# Altium PCB 采集主板V1.1_ZM_20210713.PcbDoc (part 2 of 2)
Units mil, origin at the board's own origin, x right, y up, seen from the top; angles counter-clockwise.
Board outline 5118.11 x 2559.06 mil, 4 copper layers (Top Layer, GND, Power, Bottom Layer), stack 30.635 mil thick; 191 components, 119 nets, 558 pads, 477 vias.
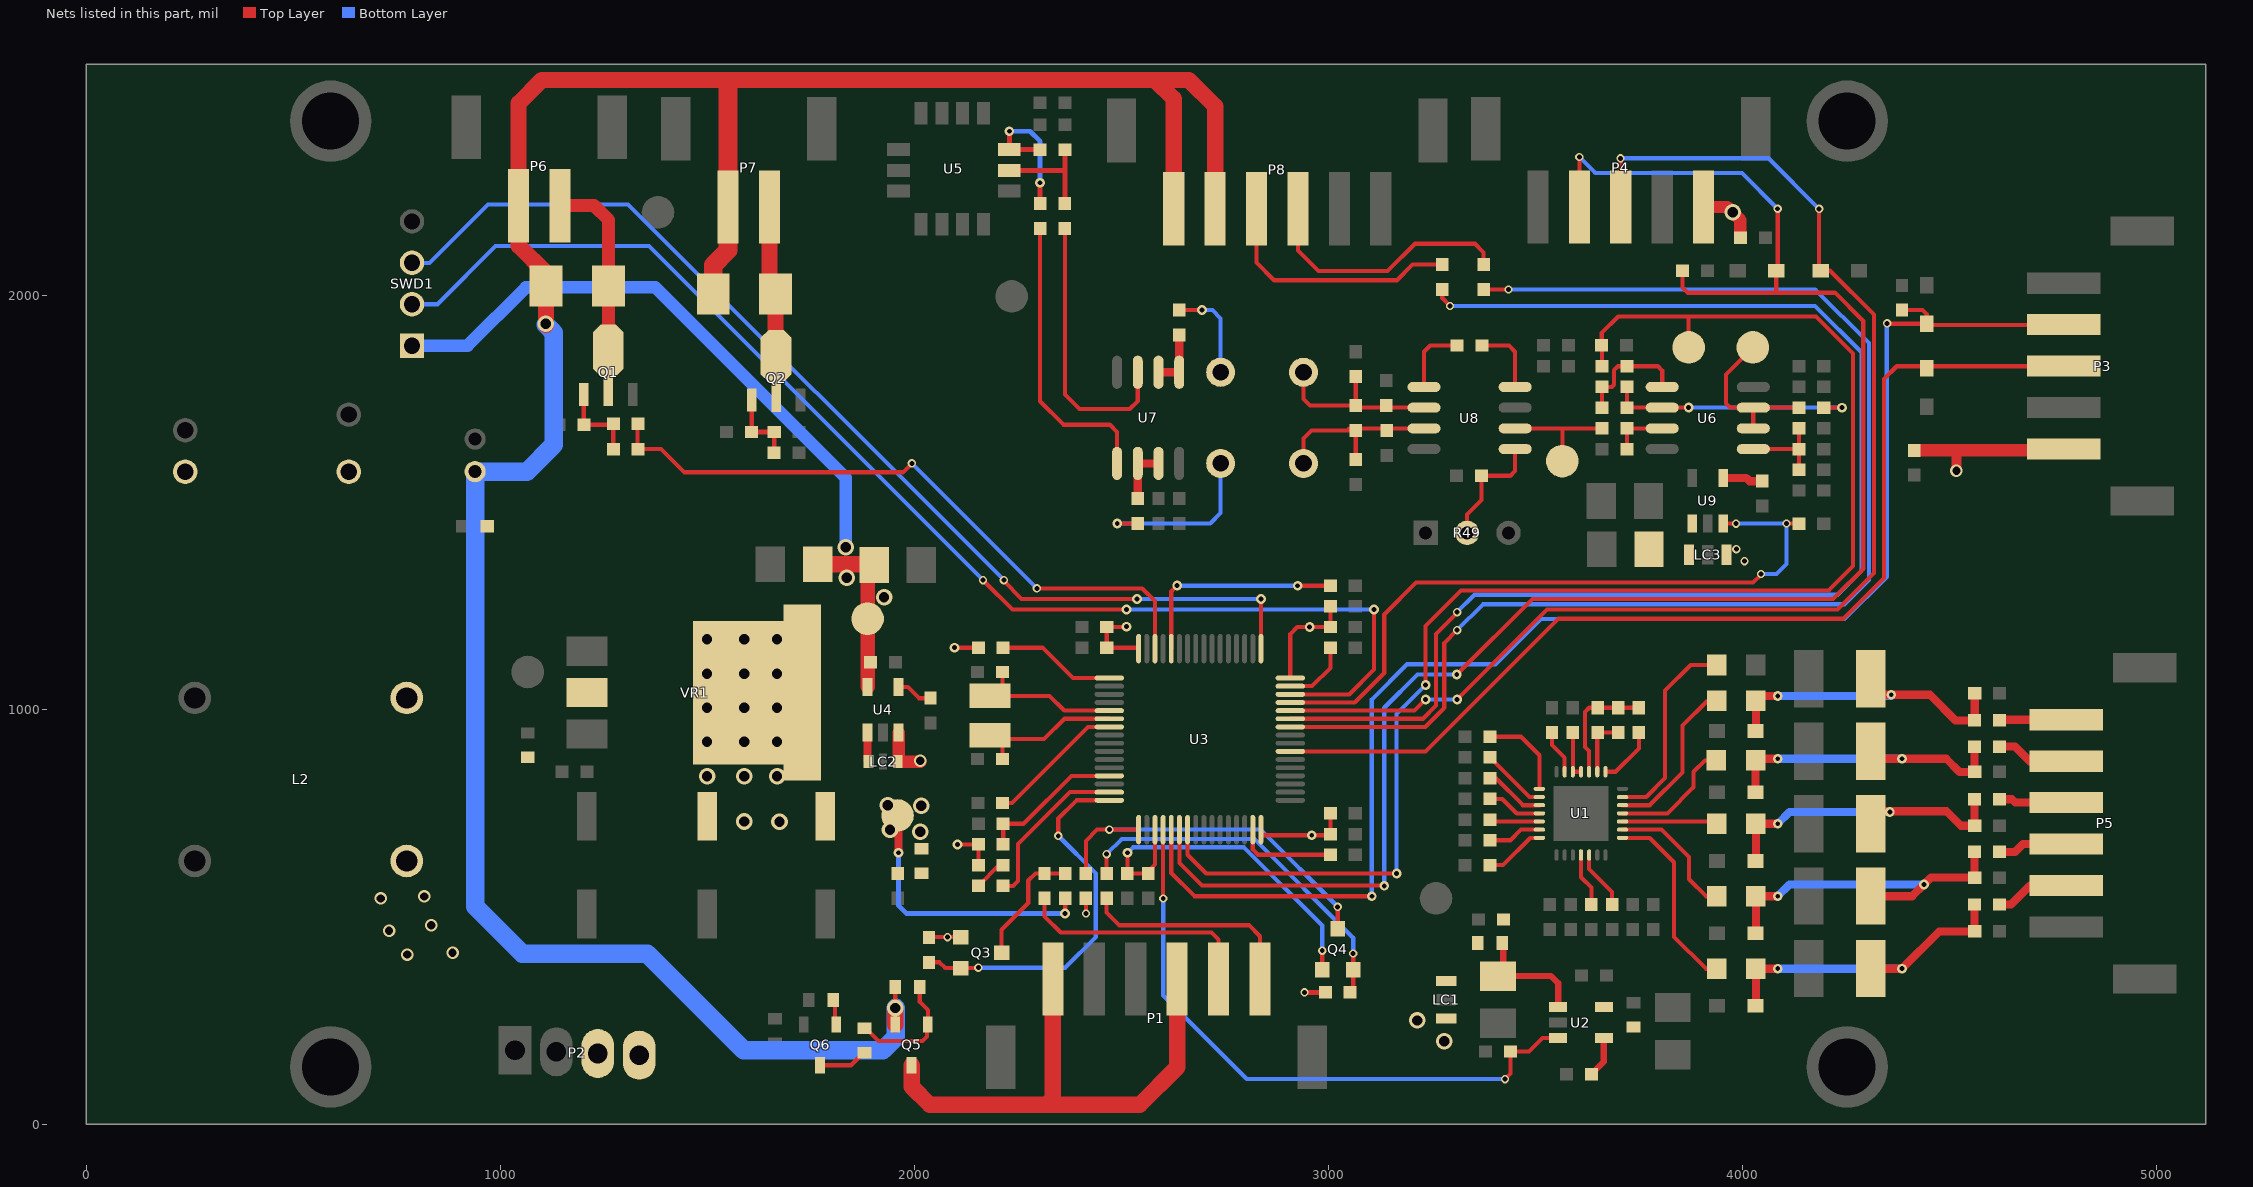
[diagram p4: the nets of this part, all layers, seen from the top]

## Via types
v1: diameter 30, hole 20, Top Layer to Bottom Layer, tented both sides, 321 vias
v2: diameter 40, hole 25, Top Layer to Bottom Layer, tented both sides, 61 vias
v3: diameter 23.62, hole 11.81, Top Layer to Bottom Layer, tented both sides, 49 vias
v4: diameter 20, hole 12, Top Layer to Bottom Layer, tented both sides, 45 vias
v5: diameter 20, hole 12, Top Layer to Bottom Layer, 1 vias

## Nets (pads, with @x,y where several pads share a name; then routed paths per layer and width w, separated by ;. In a path a pad name is that pad's centre, name@x,y a point inside that pad or via, vN(x,y) a via of type N, cw(c..) or ccw(c..) an arc to the next point about the centre after c; other vN are vias at no path point) (continued)
NetC3_1: C3.1 C4.1 C5.2 FB3.1 VR1.2 | length 2.7
  Top Layer w39.37: C4.1@1784.25,743.11 C4.1@1786.14,745
  other v2: 1589.25,730.32 1674.25,730 1499.25,840 1589.25,840 1668.31,840 1499.25,922.5 1589.25,922.5 1668.31,922.5 1499.25,1005 1589.25,1005 1668.31,1005 1499.25,1087.5 1589.25,1087.5 1668.31,1087.5 1499.25,1170 1589.25,1170 1668.31,1170
NetC6_2: C6.2 U1.26 | length 142.5
  Top Layer w10: U1.26@3628.94,649.61 3628.94,615.32 3684.25,560 C6.2@3684.25,530
NetC7_1: C7.1 R22.1 U1.9 | length 144
  Top Layer w10: U1.9@3648.62,850.39 C7.1@3648.62,944.37 ; C7.1@3649.25,945 R22.1@3699.25,945
NetC7_2: C7.2 R20.2 R22.2 U1.10 | length 282.8
  Top Layer w10: U1.10@3628.94,850.39 3628.94,900.32 3619.25,910 3619.25,995 3629.25,1005 C7.2@3649.25,1005 R22.2@3699.25,1005 R20.2@3749.25,1005
NetC8_2: C8.2 U1.11 U1.12 | length 114.4
  Top Layer w10: C8.2@3589.25,945 3589.57,944.68 U1.12@3589.57,850.39 U1.11@3609.25,850.39
NetC13_1: C13.1 C66.1 FB1.2 U2.1 | length 301.9
  Top Layer w15: FB1.2@3421.78,444.17 3421.78,369.61 C13.1@3409.25,357.09 3537.17,357.09 3554.13,340.12 U2.1@3554.13,282.4
NetC16_1: C16.1 Q1.1 R27.1 R29.1 | length 206.4
  Top Layer w10: Q1.1@1201.65,1761.48 R29.1@1201.65,1688.43 1270.63,1688.43 R27.1@1272.87,1690.68 C16.1@1272.87,1629.53
NetC17_1: C17.1 Q2.1 R28.1 R30.1 | length 183
  Top Layer w11.81: Q2.1@1607.06,1747.75 1607.06,1671.67 R30.1@1606.11,1670.73 R28.1@1661.5,1670.73 1661.5,1621.12 C17.1@1661.11,1620.73
NetC20_2: C20.2 U3.31 | length 240.7
  Top Layer w10: U3.31@2816.93,710.63 2816.93,662.32 2829.25,650 C20.2@3004.25,650
NetC21_2: C21.2 U3.47 | length 163.9
  Top Layer w10: U3.47@2907.48,1057.09 2960.24,1057.09 3004.25,1101.1 C21.2@3004.25,1150
NetC22_2: C22.2 L1.1 U3.13 | length 354.1
  Top Layer w10: L1.1@2214.25,675 C22.2@2214.25,725 2263.31,725 2378.86,840.55 U3.13@2470.47,840.55
NetC23_1: C23.1 U3.7 | length 333.5
  Top Layer w10: C23.1@2213.07,775 2235.22,775 2418.88,958.66 U3.7@2470.47,958.66
NetC35_2: C35.2 C39.1 C40.1 R36.1 U8.2 | length 427.5
  Top Layer w10: C35.2@2939.25,1815 2939.25,1750 2954.72,1734.53 C40.1@3065.35,1734.53 C39.1@3065.35,1804.53 ; C40.1@3070.35,1729.53 U8.2@3230.35,1729.53
NetC36_1: C36.1 R35.1 R43.2 U6.2 | length 611.9
  Top Layer w10: C36.1@3720.35,1779.53 R35.1@3720.35,1729.53 U6.2@3805.35,1729.53 v3@3868.78,1729.53 ; R43.2@4195.35,1729.53 v3(4239.25,1729.53)
  Bottom Layer w10: v3(3869.25,1730) v3@4238.78,1730
NetC36_2: C36.2 R35.2 R38.1 U6.1 | length 280
  Top Layer w10: R35.2@3660.35,1729.53 C36.2@3660.35,1779.53 3683.78,1779.53 3689.25,1785 3689.25,1820 3698.78,1829.53 R38.1@3720.35,1829.53 3794.72,1829.53 3805.35,1818.9 U6.1@3805.35,1779.53
NetC40_2: C40.2 C44.2 C48.1 R42.2 U8.3 | length 444.8
  Top Layer w10: C48.1@2939.25,1595 2939.25,1655 2958.78,1674.53 C40.2@3065.35,1674.53 C44.2@3065.35,1604.53 ; 3049.72,1679.53 U8.3@3230.35,1679.53
NetC41_1: C41.1 R41.2 U5.14 | length 353.1
  Top Layer w11.81: v3(2229.04,2396.76) U5.14@2229.04,2352.43 C41.1@2303.37,2352.43 ; R41.2@2303.37,2222.43 v3(2303.37,2272.43)
  Bottom Layer w11.81: v3(2229.04,2396.76) 2279.04,2396.76 2303.37,2372.43 v3(2303.37,2272.43)
NetC41_2: C41.2 R37.2 U5.13 | length 264.3
  Top Layer w11.81: U5.13@2229.04,2302.43 2363.37,2302.43 ; R37.2@2363.37,2222.43 2363.37,2302.43 ; C41.2@2363.37,2352.43 2363.37,2302.43
NetC42_2: C42.2 R39.2 U6.3 | length 135
  Top Layer w10: C42.2@3720.35,1629.53 R39.2@3720.35,1679.53 U6.3@3805.35,1679.53
NetC43_1: C43.1 R38.2 TP7.1 U3.23 | length 3630.9
  Top Layer w10: U3.23@2659.45,710.63 2659.45,649.99 2704.44,605 v3(3164.25,605) ; v3(3234.25,1060) 3234.25,1202.44 3319.68,1287.87 4207.37,1287.87 4266.38,1346.88 4266.38,1859.91 4176.29,1950 3869.25,1950 ; C43.1@3659.25,1880 3659.25,1910 3699.25,1950 3869.25,1950 ; R38.2@3660.35,1829.53 C43.1@3660.35,1878.9 ; TP7.1@3869.25,1875 3869.25,1950
  Bottom Layer w10: v3(3164.25,605) 3164.25,990 v3(3234.25,1060)
NetC45_2: C45.2 R49.2 U8.5 | length 291
  Top Layer w10: R49.2@3334.25,1427.17 3334.25,1471.75 3369.25,1506.75 C45.2@3369.25,1565 3438.43,1565 3450.35,1576.93 U8.5@3450.35,1629.53
NetC49_2: C49.2 R44.2 R45.2 U6.5 | length 210
  Top Layer w10: U6.5@4025.35,1629.53 R45.2@4135.35,1629.53 ; R44.2@4135.35,1579.53 R45.2@4135.35,1629.53 ; C49.2@4135.35,1679.53 R45.2@4135.35,1629.53
NetC50_1: C50.1 LC3.1 U9.1
NetC57_2: C57.2 U2.4 | length 100.1
  Top Layer w15: C57.2@3634.25,120 3664.37,150.12 U2.4@3664.37,207.6
NetC64_2: C64.2 U9.4 | length 97.4
  Top Layer w20: U9.4@3952.76,1559.65 4008.44,1559.65 4016.05,1552.03 C64.2@4047.04,1552.03
NetC65_2: C65.2 U4.4 | length 88.3
  Top Layer w10: U4.4@1961.65,1055.12 1983.95,1055.12 2011.04,1028.03 C65.2@2038.69,1028.03
NetC67_2: C67.2 DS5.1 R17.1 R25.2 TVS9.2 | length 746.6
  Top Layer w19.68: TVS9.2@4031.5,956.5 R17.1@4031.5,1021.65 4031.5,1029.53 4035.63,1033.66 v3(4084.25,1033.66) ; DS5.1@4307.09,1033.66 4325.61,1033.66 4328.4,1036.45 v3(4358.46,1036.45) 4451.65,1036.45 4513.55,974.56 R25.2@4559.55,974.56 4560,975.01 C67.2@4560,1040
  Bottom Layer w19.68: v3(4084.25,1033.66) v3@4358.46,1033.66
NetC68_2: C68.2 DS4.1 R16.1 R47.2 TVS8.2 | length 759.2
  Top Layer w19.68: TVS8.2@4030.71,801.18 R16.1@4030.71,877.95 4030.71,881.1 4031.5,881.89 v3(4084.25,881.89) ; DS4.1@4309.06,881.89 v3(4384.25,881.89) 4491.17,881.89 4523.06,850 C68.2@4560,850 4559.55,850.45 R47.2@4559.55,911.05
  Bottom Layer w19.68: v3(4084.25,881.89) v3(4384.25,881.89)
NetC69_2: C69.2 DS3.1 R15.1 R51.2 TVS7.2 | length 766.5
  Top Layer w19.68: TVS7.2@4031.5,635.79 R15.1@4031.5,725 v3(4084.25,725) ; DS3.1@4309.06,725 4339.06,755 4492.08,755 4527.08,720 C69.2@4560,720 4559.55,720.45 R51.2@4559.55,784.03
  Bottom Layer w19.68: v3(4084.25,725) 4112.63,753.38 v3(4354.97,753.38)
NetC70_2: C70.2 DS2.1 R13.1 R52.2 TVS6.2 | length 838.8
  Top Layer w19.68: TVS6.2@4031.5,460.79 R13.1@4031.5,550 v3(4084.25,550) ; DS2.1@4309.06,550 4409.1,550 v3(4437.53,578.42) 4454.1,595 C70.2@4560,595 4559.55,595.45 R52.2@4559.55,657.02
  Bottom Layer w19.68: v3(4084.25,550) 4112.68,578.42 v3(4437.53,578.42)
NetC71_2: C71.2 DS1.1 R11.1 R53.2 TVS5.2 | length 795.4
  Top Layer w19.68: TVS5.2@4031.5,285.79 R11.1@4031.5,375 v3(4084.25,375) ; DS1.1@4309.06,375 v3(4384.25,375) 4474.25,465 C71.2@4560,465 4559.55,465.45 R53.2@4559.55,530.01
  Bottom Layer w19.68: v3(4084.25,375) v3(4384.25,375)
NetD1_1: D1.1 P6.2 Q1.2 | length 446.5
  Top Layer w31.5: P6.2@1144.24,2217.35 1226.64,2217.35 1261.19,2182.8 D1.1@1261.19,2023.52 1261.19,1868.27 Q1.2@1260.7,1867.78
NetD2_1: D2.1 P7.2 Q2.2 | length 443.2
  Top Layer w31.5: Q2.2@1666.11,1818.61 Q2.2@1666.11,1854.04
  Top Layer w39.37: P7.2@1649.97,2214 1649.97,2018.62 D2.1@1664.65,2003.94 1664.65,1820.08 Q2.2@1666.11,1818.61 ; Q2.2@1666.11,1854.04 Q2.2@1670.16,1858.1
NetFB1_1: FB1.1 LC1.1
NetFB2_1: FB2.1 U2.5
NetLC2_1: LC2.1 U4.1 | length 70.7
  Top Layer w19.68: U4.1@1886.85,944.88 1886.85,876.97 LC2.1@1888.82,875
NetLED1_1: LED1.1 R26.2 | length 80.7
  Top Layer w10: LED1.1@2154.25,575 2204.25,625 R26.2@2214.25,625
NetLED1_2: LED1.2 U3.15 | length 402.1
  Top Layer w10: LED1.2@2214.25,575 2238.39,575 2250.43,587.04 2250.43,676.18 2375.43,801.18 U3.15@2470.47,801.18
NetP3_2: P3.2 R5.2 TVS1.2 U3.21 | length 3576.9
  Top Layer w10: U3.21@2620.08,710.63 2620.08,606.26 2676.34,550 v3(3104.25,550) ; v4(4348.44,1933.23) 4349.58,1932.09 TVS1.2@4444.25,1932.09 4444.25,1954.95 4434.21,1965 R5.2@4384.25,1965 ; TVS1.2@4444.25,1929.53 4774.53,1929.53 P3.2@4775,1930
  Bottom Layer w10: v3(3104.25,550) 3104.25,1025 3189.25,1110 3402.7,1110 3512.18,1219.49 4245.8,1219.49 4347.58,1321.27 v4@4347.58,1931.06
NetP3_3: P3.3 TVS4.2 U3.39 | length 2534.4
  Top Layer w10: U3.39@2907.48,899.61 3234.25,899.61 3554.65,1220 4242.63,1220 4341.11,1318.48 4341.11,1799.02 4371.63,1829.53 4774.53,1829.53 P3.3@4775,1830
NetP4_2: P4.2 R6.2 TVS2.2 U3.22 | length 4281.4
  Top Layer w10: U3.22@2639.76,710.63 2639.76,630.28 2694.25,575.79 v3@3134.25,575.79 ; v3(3309.25,1085) 3491.97,1267.72 4218.02,1267.72 4290.74,1340.44 4290.74,1938.51 4222.13,2007.13 4080.71,2007.13 ; P4.2@3605.35,2214 v4(3605.35,2334.53) ; R6.2@3854.25,2060 3854.25,2019.76 3866.89,2007.13 4080.71,2007.13 ; TVS2.2@4080.71,2060 4080.71,2007.13 ; TVS2.2@4084.25,2063.54 v4@4084.25,2209.53
  Bottom Layer w10: v3(3134.25,575) 3134.25,1005 3214.25,1085 v3(3309.25,1085) ; v4(3605.35,2334.53) 3643.83,2296.06 3997.72,2296.06 v4(4084.04,2209.74) v4@4084.25,2209.53
NetP4_3: P4.3 TVS3.2 U3.44 | length 3138.4
  Top Layer w10: U3.44@2907.48,998.03 3207.28,998.03 v3(3234.25,1025) ; v3(3310.35,1025) 3527.48,1242.13 4228.44,1242.13 4316.68,1330.36 4316.68,1953.95 4210.63,2060 TVS3.2@4187.8,2060 ; P4.3@3705.35,2214 v4@3705.35,2332.76 ; TVS3.2@4184.25,2063.54 v4(4184.25,2209.53)
  Bottom Layer w10: v3(3234.25,1025) v3(3310.35,1025) ; v4(3704.45,2331.63) 4062.15,2331.63 v4(4184.25,2209.53)
NetP5_1: P5.1 R25.1 | length 162.1
  Top Layer w19.68: R25.1@4619.55,974.56 4620.98,975.98 P5.1@4781.02,975.98
NetP5_2: P5.2 R47.1 | length 176
  Top Layer w19.68: R47.1@4619.55,911.05 4656.84,911.05 4691.91,875.98 P5.2@4781.02,875.98
NetP5_3: P5.3 R51.1 | length 164.8
  Top Layer w19.68: R51.1@4619.55,784.03 4649.67,784.03 4657.72,775.98 P5.3@4781.02,775.98
NetP5_4: P5.4 R52.1 | length 169.3
  Top Layer w19.68: R52.1@4619.55,657.02 4657.58,657.02 4676.54,675.98 P5.4@4781.02,675.98
NetP5_5: P5.5 R53.1 | length 180.5
  Top Layer w19.68: R53.1@4619.55,530.01 4647.38,530.01 4693.36,575.98 P5.5@4781.02,575.98
NetP8_3: P8.3 R33.1 | length 611.7
  Top Layer w10: P8.3@2825.88,2209.74 2825.88,2079.76 2868.58,2037.06 3164.78,2037.06 3202.72,2075 R33.1@3274.25,2075
NetP8_4: P8.4 R34.1 | length 630.5
  Top Layer w10: P8.4@2925.88,2209.74 2925.88,2108.79 2975.17,2059.5 3142.34,2059.5 3208.12,2125.28 3353.36,2125.28 3374.25,2104.38 R34.1@3374.25,2079.53
NetQ3_2: Q3.2 R54.1 U3.16 | length 904.8
  Top Layer w10: R54.1@2035.21,390.39 2060.48,390.39 2074.5,376.38 Q3.2@2111.81,376.38 2153.23,376.38 v4(2154.22,377.37) ; v4(2347.18,695.9) 2347.18,737.43 2391.24,781.5 U3.16@2470.47,781.5
  Bottom Layer w10: v4(2154.22,377.37) 2364.13,377.37 2437.86,451.09 2437.86,605.23 v4(2347.18,695.9)
NetQ3_3: Q3.3 R3.2 R4.1 | length 301.5
  Top Layer w10: Q3.3@2210.24,413.78 2210.24,469.08 2274.7,533.54 2274.7,587.76 2291.94,605 R3.2@2314.06,605 R4.1@2364.06,605 R4.1@2367.13,608.07
NetQ4_2: Q4.2 R1.2 R2.2 | length 890.7
  Top Layer w10: R2.2@2464.06,605 v4(2464.06,651.56) ; R1.2@3051.96,317.76 3059.36,325.16 Q4.2@3059.36,372.69 v4(3059.36,411.78)
  Bottom Layer w10: v4(2464.06,651.56) 2500.61,688.12 2820.8,688.12 3059.36,449.55 v4(3059.36,411.78)
NetQ4_3: Q4.3 R55.2 U3.17 | length 899.1
  Top Layer w10: R55.2@2414.06,605 2414.06,683.62 2441.06,710.63 v4(2470.47,710.63) U3.17@2541.34,710.63 ; Q4.3@3021.96,471.12 v4(3021.96,524.49)
  Bottom Layer w10: v4(2470.47,710.63) 2835.82,710.63 v4(3021.96,524.49)
NetQ5_1: Q5.1 R56.1 R57.2 | length 296.6
  Top Layer w10: R57.2@1879.82,231.03 1882.78,231.03 1913.58,200.23 2019.34,200.23 2030.32,211.2 2030.32,238.23 Q5.1@2032.38,240.29 2032.38,275.46 2012.95,294.89 R56.1@2012.95,331.12
NetQ6_1: Q6.1 R58.1 | length 61.7
  Top Layer w10: R58.1@1804.25,299.01 1807.85,295.4 1807.85,243.85 Q6.1@1811.46,240.25
NetQ6_3: Q6.3 R57.1 | length 120.2
  Top Layer w10: Q6.3@1772.09,141.82 1846.72,141.82 1876.87,171.97 R57.1@1879.82,171.97
NetR7_2: R7.2 U1.20 | length 130.2
  Top Layer w10: R7.2@3389.25,685 3439.25,685 3464.88,710.63 U1.20@3508.86,710.63
NetR8_2: R8.2 U1.19 | length 121.5
  Top Layer w10: R8.2@3389.25,735 3393.94,730.32 U1.19@3508.86,730.32
NetR9_2: R9.2 U1.18 | length 134.1
  Top Layer w10: R9.2@3389.25,785 3419.25,785 3454.25,750 U1.18@3508.86,750
NetR10_2: R10.2 U1.17 | length 146.7
  Top Layer w10: R10.2@3389.25,835 3403.5,835 3468.82,769.68 U1.17@3508.86,769.68
NetR11_2: R11.2 U1.1 | length 463.7
  Top Layer w10: U1.1@3709.65,690.94 3775.24,690.94 3834.25,631.93 3834.25,451.82 3911.07,375 R11.2@3937.01,375
NetR12_2: R12.2 U1.16 | length 159.2
  Top Layer w10: R12.2@3389.25,885 3484.88,789.37 U1.16@3508.86,789.37
NetR13_2: R13.2 U1.2 | length 325.2
  Top Layer w10: U1.2@3709.65,710.63 3804.09,710.63 3870.35,644.37 3870.35,590.97 3911.32,550 R13.2@3937.01,550
NetR14_2: R14.2 U1.15 | length 219.4
  Top Layer w10: R14.2@3389.25,935 3464.13,935 3508.86,890.28 U1.15@3508.86,809.06
NetR15_2: R15.2 U1.3 | length 222
  Top Layer w10: U1.3@3709.65,730.32 R15.2@3931.69,730.32
NetR16_2: R16.2 U1.4 | length 302.2
  Top Layer w10: U1.4@3709.65,750 3818.17,750 3881.34,813.18 3881.34,850.39 3908.9,877.95 R16.2@3936.22,877.95 ; R16.2@3936.22,881.89 R16.2@3937.01,881.89
NetR17_2: R17.2 U1.5 | length 398
  Top Layer w10: U1.5@3709.65,769.68 3775.36,769.68 3854.25,848.58 3854.25,961.71 3914.2,1021.65 R17.2@3937.01,1021.65
NetR18_2: R18.2 U1.21 | length 146.9
  Top Layer w10: R18.2@3389.25,625 3420.75,625 3486.69,690.94 U1.21@3508.86,690.94
NetR19_2: R19.2 U1.6 | length 483.3
  Top Layer w10: U1.6@3709.65,789.37 3766.91,789.37 3812.54,835 3812.54,1046.46 3874.35,1108.27 R19.2@3937.01,1108.27
NetR20_1: R20.1 U1.8 | length 142.5
  Top Layer w10: U1.8@3668.31,850.39 3692.87,850.39 3749.25,906.77 R20.1@3749.25,945
NetR21_2: R21.2 U1.13 | length 107.3
  Top Layer w10: R21.2@3539.25,945 3539.25,915 3569.88,884.37 U1.13@3569.88,850.39
NetR23_2: R23.2 U1.25 | length 130
  Top Layer w10: U1.25@3609.25,649.61 3609.25,595.79 3634.25,570.79 R23.2@3634.25,530
NetR24_1: R24.1 U2.3 U3.20 | length 1510
  Top Layer w10: v4@2600.39,544.68 U3.20@2600.39,710.63 ; v4(3426.02,108.37) 3439.25,121.6 R24.1@3439.25,175 3483.86,175 3516.46,207.6 U2.3@3554.13,207.6
  Bottom Layer w10: v4(2600.67,544.68) 2600.67,310.03 2802.32,108.37 v4(3426.02,108.37)
NetR31_2: R31.2 U3.1 | length 286.6
  Top Layer w10: R31.2@2214.25,1150 2309.25,1150 2382.48,1076.77 U3.1@2470.47,1076.77
NetR32_1: R32.1 U3.60 | length 528.7
  Top Layer w10: U3.60@2620.08,1147.64 2620.08,1285.83 v3(2634.25,1300) ; v3(2925.25,1299.49) 3003.74,1299.49 R32.1@3004.25,1300
  Bottom Layer w10: v3(2634.25,1300) 2634.76,1299.49 v3(2925.25,1299.49)
NetR37_1: R37.1 U7.3 | length 669.2
  Top Layer w10: R37.1@2363.37,2162.43 2363.37,1761.17 2398.45,1726.1 2519.84,1726.1 2539.25,1745.51 U7.3@2539.25,1815
NetR39_1: R39.1 TP6.1 U8.6 | length 289.9
  Top Layer w10: U8.6@3450.35,1679.53 3566.06,1679.53 ; TP6.1@3564.25,1600.39 3564.25,1677.72 3566.06,1679.53 ; R39.1@3660.35,1679.53 3566.06,1679.53
NetR40_1: R40.1 U8.1 | length 171.2
  Top Layer w10: U8.1@3230.35,1779.53 3230.35,1864.53 3245.35,1879.53 R40.1@3310.35,1879.53
NetR40_2: R40.2 U8.8 | length 171.2
  Top Layer w10: R40.2@3370.35,1879.53 3435.35,1879.53 3450.35,1864.53 U8.8@3450.35,1779.53
NetR41_1: R41.1 U7.5 | length 709.8
  Top Layer w10: R41.1@2303.37,2162.43 2303.37,1745.03 2359.97,1688.43 2471.55,1688.43 2489.25,1670.73 U7.5@2489.25,1595
NetR43_1: R43.1 TP9.1 U6.6 U6.7 | length 392.4
  Top Layer w10: TP9.1@4024.25,1875 3959.25,1810 3959.25,1740 3969.72,1729.53 U6.7@4025.35,1729.53 ; U6.6@4025.35,1679.53 U6.7@4025.35,1729.53 ; R43.1@4135.35,1729.53 U6.7@4025.35,1729.53
NetR46_1: R46.1 U3.45 U9.3 | length 1699.8
  Top Layer w10: U3.45@2907.48,1017.72 3063.07,1017.72 3134.25,1088.9 3134.25,1230 3211.34,1307.09 4024.58,1307.09 v4@4044.65,1327.16 ; U9.3@3952.76,1449.41 v4@3983.66,1449.41 ; v4@4105.22,1449.53 R46.1@4135.35,1449.53
  Bottom Layer w10: v4(3983.66,1449.53) 4104.75,1449.53 v4(4105.22,1450) 4105.22,1352.08 4081.19,1328.05 v4(4044.12,1328.05)
NetR48_2: R48.2 U7.1 U7.2 | length 140.2
  Top Layer w19.68: U7.2@2589.25,1815 U7.1@2639.25,1815 2639.25,1904.49 R48.2@2639.76,1905
NetR50_2: R50.2 U7.6 U7.7 | length 135
  Top Layer w19.68: R50.2@2539.37,1510 2539.25,1510.12 U7.6@2539.25,1595 U7.7@2589.25,1595
OSC_IN: C26.2 U3.5 Y1.2 | length 347.2
  Top Layer w10: Y1.2@2183.09,1034.32 Y1.2@2182.3,1033.53 2326.15,1033.53 2361.65,998.03 U3.5@2470.47,998.03 ; Y1.2@2212.3,1048.1 C26.2@2212.3,1091.29
OSC_OUT: C34.2 U3.6 Y1.1 | length 364
  Top Layer w10: Y1.1@2182.3,929.66 Y1.1@2212.3,929.66 ; C34.2@2212.3,881.29 Y1.1@2212.3,929.66 ; Y1.1@2212.3,936.92 Y1.1@2212.3,929.66 ; U3.6@2470.47,978.35 2361.85,978.35 2313.16,929.66 Y1.1@2212.3,929.66
RXD: P1.2 R3.1 | length 582.3
  Top Layer w10: R3.1@2314.06,545 2314.06,501.23 2353.16,462.13 2717.13,462.13 2734.25,445 P1.2@2734.25,350
SWCLK: SWD1.3 U3.49 | length 2621.6
  Top Layer w10: v4@2215.73,1310.68 2258.69,1267.72 v3(2537.4,1267.72) ; U3.49@2836.61,1147.64 v3(2836.61,1267.72)
  Bottom Layer w10: SWD1.3@786.92,2079.19 829.5,2079.19 970.31,2220 1308.73,2220 v4(2215.73,1312.99) ; v3(2537.4,1267.72) v3(2836.61,1267.72)
SWDIO: SWD1.2 U3.46 | length 3109
  Top Layer w10: v4@2170.65,1308.07 2236.6,1242.13 v3(2511.81,1242.13) ; U3.46@2907.48,1037.4 3049.72,1037.4 3109.25,1096.93 v3(3109.25,1242.13)
  Bottom Layer w10: SWD1.2@786.92,1979.19 848.06,1979.19 988.86,2120 1358.76,2120 v4(2165.77,1312.99) ; v3(2511.81,1242.13) v3(3109.25,1242.13)
TST+: C48.2 R50.1 | length 429.5
  Top Layer w10: v3(2489.72,1450) R50.1@2539.37,1450
  Bottom Layer w10: v3(2489.72,1450) 2714.25,1450 2739.25,1475 C48.2@2739.25,1595
TST-: C35.1 R48.1 | length 237.8
  Top Layer w10: R48.1@2639.76,1965 v3(2694.25,1965)
  Bottom Layer w10: v3(2694.25,1965) 2719.25,1965 2739.25,1945 C35.1@2739.25,1815
TXD: P1.1 R2.1 | length 531.8
  Top Layer w10: R2.1@2464.06,545 2464.06,510.28 2494.33,480 2807.56,480 2834.25,453.31 P1.1@2834.25,350
US1_RX: R33.2 U3.43 | length 3243.5
  Top Layer w10: U3.43@2907.48,978.35 3227.6,978.35 3259.25,1010 3259.25,1183.23 v4@3311.11,1235.08 ; R33.2@3274.25,2015 3274.25,1994.09 v4(3293.25,1975.09)
  Bottom Layer w10: v4(3293.25,1975.09) 4174.48,1975.09 4286.29,1863.29 4286.29,1335.67 4228.42,1277.8 3352.32,1277.8 v4(3310.35,1235.83)
US1_TX: R34.2 U3.42 | length 3196.9
  Top Layer w10: U3.42@2907.48,958.66 3233.19,958.66 3277.13,1002.6 3277.13,1002.87 3279.25,1005 3279.25,1161.12 v4(3310.35,1192.22) v4@3314.24,1196.11 ; R34.2@3374.25,2015 v4(3434.25,2015)
  Bottom Layer w10: v4(3310.35,1192.22) 3372.87,1254.74 4245.8,1254.74 4304.54,1313.48 4304.54,1885.22 4174.76,2015 v4(3434.25,2015)
V5.0: C59.2 C63.2 FB3.2 LC1.3 LC2.3 LC3.3 P3.5 P4.5 R1.1 R4.2 TP2.1 U4.3 | length 1386.9
  Top Layer w11.81: v3(2363.37,508.49) 2364.06,509.17 R4.2@2364.06,545 ; v4(2941.83,317.76) R1.1@2991.96,317.76
  Top Layer w19.68: v3(1961.65,655) TP2.1@1961.65,750
  Top Layer w23.62: v1(4515.75,1576.93) 4515.75,1612.2
  Top Layer w30: U4.3@1961.65,944.88 1961.65,876.97 LC2.3@1959.69,875 v1@2014.25,875 ; P4.5@3905.35,2214 3962.61,2214 v2(3975.52,2201.09) 3994.25,2182.35 C59.2@3994.25,2140.07 ; C63.2@4413.71,1626.41 4771.41,1626.41 P3.5@4775,1630
  Bottom Layer w11.81: v3(1961.65,655) 1961.65,527.03 1980.2,508.49 v3(2363.37,508.49)
  other v1: 2014.25,876.97
  other v2: 3279.25,200 3214.25,250 2014.25,705.68 1940.91,710.69 2016.77,768.01 1935.12,769.68
  other v4: 4004.32,1358.94 3984.25,1387.8
V12: C58.2 C60.1 C61.1 C62.1 D1.2 D2.2 FB4.1 L2.2 P6.1 P7.1 P8.1 P8.2 Q5.2 R56.2 | length 6294.5
  Top Layer w10: v2(1953.35,280.07) 1953.62,280.34 1953.62,330.85 R56.2@1953.89,331.12
  Top Layer w39.37: v2@1110.4,1929.53 D1.2@1110.4,2023.52 1110.4,2054.58 1044.24,2120.74 P6.1@1044.24,2217.35 1044.24,2464.68 1100.4,2520.83 2580.24,2520.83 ; P8.1@2625.88,2209.74 2625.88,2475.19 2580.24,2520.83 ; P8.2@2725.88,2209.74 2725.88,2456.89 2661.94,2520.83 2580.24,2520.83
  Top Layer w40: v2(1953.35,280.07) 1953.63,279.78 Q5.2@1953.63,240.29
  Top Layer w45: D2.2@1513.86,2003.94 1513.86,2073.59 1549.97,2109.7 P7.1@1549.97,2214 1549.97,2513.8
  Bottom Layer w45: v2@1110.4,1929.53 1129.36,1910.57 1129.36,1639.8 1064.56,1575 C62.1@939.25,1575 939.25,525.22 1053.48,410.99 1355.08,410.99 1588.17,177.9 1923.29,177.9 1954.7,209.31 v2@1954.7,280.07
  other v2: 1109.86,1932.09
VALUE: C16.2 R27.2 U3.62 | length 1593.1
  Top Layer w10: R27.2@1331.69,1690.68 1331.69,1630.71 C16.2@1332.87,1629.53 1388.5,1629.53 1444.6,1573.43 1972.24,1573.43 v4(1993.82,1595) ; v4@2297,1293.31 2550.08,1293.31 2580.98,1262.41 U3.62@2580.98,1147.64
  Bottom Layer w10: v4(1993.82,1595) v4@2295.62,1293.2
  other v4: 2295.42,1293.39
VCC: C18.2 C19.2 C24.2 C25.1 C27.2 C28.2 C29.2 C30.2 C31.2 C32.2 C33.1 L1.2 Q3.1 Q4.1 R26.1 R31.1 R54.2 R55.1 SWD1.1 TP5.1 U3.19 U3.32 U3.48 U3.64 U4.5 | length 3674.4
  Top Layer w10: C33.1@1766.34,1351.57 C33.1@1771.65,1356.89 ; R54.2@2035.21,450.39 2036,451.18 v4(2079.87,451.18) Q3.1@2111.81,451.18 ; v3@2096.77,1150 v3(2096.85,1150) R31.1@2154.25,1150 ; v3(2104.25,675) L1.2@2154.25,675 R26.1@2154.25,625 ; v4(2414.06,508.4) R55.1@2414.06,545 ; v3(2511.81,1200.79) 2511.02,1200 C32.2@2464.25,1200 C27.2@2464.25,1150 2538.98,1150 U3.64@2541.34,1147.64 ; v3(2514.73,655) 2514.25,654.52 C28.2@2514.25,605 2559.06,605 2580.71,626.65 U3.19@2580.71,710.63 ; U3.32@2838.23,697.2 v3(2959.25,697.2) C30.2@2998.03,697.2 ; U3.48@2909.25,1078.54 U3.48@2907.48,1076.77 2907.48,1183.23 2924.25,1200 v3(2954.25,1200) C18.2@3004.25,1200 C19.2@3004.25,1250 ; Q4.1@2984.56,372.69 v4(2984.56,418.54) ; C30.2@3004.25,700 C31.2@3004.25,750
  Top Layer w35: U4.5@1886.85,1055.12 TP5.1@1886.85,1220 C25.1@1886.85,1347.6
  Top Layer w40: C33.1@1766.34,1351.57 1882.87,1351.57 C25.1@1886.85,1347.6
  Bottom Layer w10: v3(2514.73,655) 2527.74,668.01 2795.51,668.01 2984.56,478.96 v4(2984.56,418.54)
  Bottom Layer w30: SWD1.1@786.92,1879.19 921.11,1879.19 1061.91,2020 1374.37,2020 1834.25,1560.12 v2(1834.25,1392.87)
  other v2: 1926.6,1272.09 1836.92,1319.15
VCC_BP: P1.3 P1.6 Q5.3 | length 1271.9
  Top Layer w40: Q5.3@1993,141.87 1993,90.21 2036.78,46.43 2318.41,46.43 ; P1.6@2334.25,350 2334.25,62.27 2318.41,46.43 ; P1.3@2634.25,350 2634.25,136.55 2544.13,46.43 2318.41,46.43
VCC_IN: L2.1 P2.3 P2.4
  other v1: 775.23,409.04 884.83,413.42 731.53,466.5 833.18,479.98 711.41,544.68 816.58,549.48
pads on no net: U1.7 U1.23 U1.24 U3.2 U3.3 U3.4 U3.8 U3.9 U3.10 U3.11 U3.14 U3.24 U3.25 U3.27 U3.28 U3.29 U3.30 U3.40 U3.50 U3.56 U3.57 U3.58 U3.59 U5.2 U5.10 U5.11

## Polygon pours and split planes (outlines as drawn)
EGND on Power "EGND_L01_P080" (solid, remove dead copper, pour order 90): -209.28,2723.01 -205.39,2719.12 2072.24,2719.12 2072.24,2268.61 2162.21,2268.61 2162.21,2676.37 3846.31,2676.37 3846.31,1415.86 2162.21,1415.86 2162.21,1460.55 1203.66,1460.55 1203.66,-48.25 -73.24,-48.25 -213.16,91.68 -135.43,169.41 -135.43,2734.67
AV3.3 on Power "Top Layer-No Net" (solid, remove dead copper, pour order 58): 2228.64,2473.36 2984.15,2473.29 3041.59,2415.84 3041.59,2195.04 3041.59,2103.48 3077.49,2067.58 3206.74,1938.33 3599.88,1938.33 4203.06,1938.33 4221.01,1920.38 4285.63,1855.75 4285.63,1552.37 4285.63,1430.45 4250.23,1430.45 4190.34,1430.45 3619.63,1430.45 3619.63,1319 3449.09,1319 3314.45,1319 3296.5,1336.95 3294.71,1338.75 3294.71,1444.66 3294.71,1543.39 3276.76,1561.35 3271.37,1555.96 3099.04,1555.96 2238.08,1555.96 2143.48,1650.56 2143.48,2388.2
V5.0 on Power "Top Layer-No Net" (solid, remove dead copper, pour order 96): 1375.8,1345.71 1641.14,1345.64 1674.11,1312.68 1681.6,1305.18 1681.6,1138.84 1681.6,1012.96 1687.59,1006.97 1705.58,988.99 1832.95,988.99 2036.04,988.99 2043.14,981.89 2043.14,372.54 2867.97,372.54 3086.62,591.18 3086.62,1182.01 3153.43,1248.82 3178.2,1273.59 3334.24,1273.59 3611.27,1273.59 3623.04,1285.36 3623.57,1285.88 3623.57,1345.76 3623.57,1375.17 3643.53,1395.13 3645.63,1397.23 3981.25,1397.23 4290.14,1397.23 4322.54,1429.63 4322.54,1475.46 4322.54,2050.4 3897.54,2050.4 3897.54,2509.59 5238.13,2509.59 5238.13,-135.61 4488.56,-135.61 1542.9,-135.61 1475.44,-68.15 1301.98,105.31 1301.98,204.89 1301.98,1300.08 1343.4,1341.5 1347.61,1345.71
VCC on Power "Top Layer-No Net" (solid, remove dead copper, pour order 56): 1774.62,1420.47 2970.42,1420.46 2984.78,1406.1 3006.97,1383.91 3006.97,1269.05 3006.97,611.17 2984.78,588.98 2809.43,413.63 2060.77,413.63 2060.77,1076.87 1754.04,1076.87 1754.04,1399.88
EVDD on Power "Top Layer-No Net" (solid, remove dead copper, pour order 62): 3371.76,1121.46 3838.67,1121.47 3839.91,1122.7 3916.7,1122.7 3938.99,1100.41 3945.18,1094.22 3945.18,502.22 3945.18,255.77 3916.7,227.28 3823.81,227.28 3361.12,227.28 3334.61,253.79 3334.61,892.35 3334.61,1084.31
EGND on Top Layer "EGND_L01_P080" (solid, remove dead copper, pour order 80): -153.66,2755.56 -149.77,2751.67 2127.87,2751.67 2127.87,2301.16 2217.83,2301.16 2217.83,2708.92 5128.44,2708.92 5147.87,2689.49 5147.87,1515.69 5147.87,1329.12 4051.81,1329.12 2217.83,1329.12 2217.83,1574.96 2127.87,1574.96 2127.87,1235.83 2924.25,1235.83 5175.09,1235.83 5188.99,1221.93 5188.99,-15.69 -17.62,-15.69 -157.54,124.23 -79.81,201.97 -79.81,2767.22
EGND on GND "EGND_L01_P080" (solid, remove dead copper, pour order 88): -153.66,2755.56 -149.77,2751.67 2127.87,2751.67 2127.87,2301.16 2217.83,2301.16 2217.83,2708.92 5128.44,2708.92 5147.87,2689.49 5147.87,1515.69 5147.87,1329.12 4051.81,1329.12 2217.83,1329.12 2217.83,1574.96 2127.87,1574.96 2127.87,1235.83 2924.25,1235.83 5203.47,1235.83 5203.47,-15.69 -17.62,-15.69 -157.54,124.23 -79.81,201.97 -79.81,2767.22
EGND on Bottom Layer "EGND_L01_P080" (solid, remove dead copper, pour order 92): -153.66,2755.56 -149.77,2751.67 2127.87,2751.67 2127.87,2301.16 2217.83,2301.16 2217.83,2708.92 5128.44,2708.92 5147.87,2689.49 5147.87,1515.69 5147.87,1329.12 4051.81,1329.12 2217.83,1329.12 2217.83,1574.96 2127.87,1574.96 2127.87,1235.83 2924.25,1235.83 5413.75,1235.83 5413.75,-15.69 -17.62,-15.69 -157.54,124.23 -79.81,201.97 -79.81,2767.22

## Keep-outs
Keep-Out Layer:
  lines w7.87: 7.94,7.62 5107.25,7.62 5107.25,2552.33 7.94,2552.33 7.94,7.62
Mechanical 1:
  the board outline again, w7.87

## Other copper
Top Layer:
  rectangle net NetC13_1: 3391.79,329.33 3454.66,509.42
  rectangle net NetFB1_1: 3240.74,328.67 3317.71,462.95
  rectangle net NetFB1_1: 3240.74,413.42 3379.25,462.95
  rectangle net V5.0: 3184.87,174.24 3314.25,270
  region net EVDD: 3649.08,386.43 3649.39,386.13 3781.38,386.13 3810.73,415.48 3840.85,415.48 3881.76,374.57 3881.76,246.72 3877.95,242.91 3780.71,242.91 3773.27,250.35 3773.27,266.18 3763.88,275.57 3720.03,275.57 3704.45,291.14 3704.45,313.19 3683.67,333.97 3650.66,333.97 3643.33,341.3 3643.33,380.67 3649.08,386.43
  region net NetFB2_1: 3642.56,297.9 3686.62,297.9 3690.15,294.37 3690.15,280.05 3711.06,259.14 3750.44,259.14 3754.63,254.94 3754.63,216.39 3752.43,214.19 3752.2,214.42 3714.83,214.42 3665.22,264.03 3638.98,264.03 3636.19,266.82 3636.19,294.15 3640.05,298.01 3642.25,298.01
  region net V12: 185.86,1622.59 190.15,1622.59 826.79,1622.59 843.48,1605.9 986.96,1605.9 1015.59,1577.27 1015.59,903.96 1098.75,903.96 1101.72,900.99 1101.72,861.18 1094.28,853.74 814,853.74 690.33,977.41 690.33,1052.57 938.54,1300.78 938.54,1476.9 916.26,1499.18 347.79,1499.18 189.08,1499.18 176.59,1511.68 176.59,1614.53
  region net NetC1_2: 1261.19,978.35 1154.56,978.35 1149.81,973.6 1047.22,973.84 1044.24,970.86 1044.24,915.04 1044.96,914.32 1149.25,914.32 1159.83,903.74 1260.44,903.74 1261.19,902.99
  region net NetC3_1: 1808.48,822.66 1824.76,806.38 1824.76,734.3 1924.06,635 2045.9,635 2054.11,626.79 2054.11,587.43 2046.25,579.57 1862,579.57 1716.04,725.53 1716.04,822.66
  region net V5.0: 1916.05,801.18 2050.63,801.18 2062.65,789.16 2062.65,654.68 2055.7,647.73 1931.52,647.73 1908.27,670.99 1908.27,793.4 1915.4,800.54
  region net VCC_IN: 854.25,752.69 854.25,525 969.25,410 1385.62,410 1425.37,370.25 1425.37,127.1 1383.27,85 1209.25,85 1192.29,101.96 1192.29,261.96 1147.94,306.31 827.94,306.31 659.25,475 659.25,750.82 682.73,774.29 838.83,774.29
  region net NetC3_1: 1164.25,1076.77 1326.02,1076.77 1464.25,1215 1504.25,1215 1504.25,905 1469.25,870 1464.25,870 1329.25,1005 1164.25,1005
  region net NetC3_1: 1766.34,920 1429.25,920 1429.25,700 1454.25,675 1808.31,675 1824.25,690.94 1824.25,806.89 1766.34,864.8
  region net NetC50_1: 3736.49,1433.97 3847.91,1433.97 3860.26,1446.32 3860.26,1473.26 3865.2,1478.19 3887.39,1478.19 3890.6,1474.99 3890.35,1350.93 3879.01,1339.58 3736.68,1339.58 3727.33,1348.94 3727.33,1425.41 3735.88,1433.97
  region net AV3.3: 3734.88,1549.23 3769.35,1583.7 3889.88,1583.7 3893.4,1580.18 3893.4,1535.88 3888.12,1530.6 3839.85,1530.6 3817.4,1508.15 3817.4,1465.92 3807.84,1456.36 3734.85,1456.36 3729.32,1461.89 3729.32,1543.67
  region net V5.0: 3948.97,1399.21 4009.32,1399.36 4014.66,1394.02 4014.66,1352.01 4010.64,1347.99 3949.55,1347.99 3948.97,1348.63
  region net VCC: 1727.69,1417.16 1935.85,1417.16 1954.25,1398.76 1954.25,1190.58 1916.82,1153.15 1916.82,1037.64 1907.88,1028.7 1868.64,1028.7 1864.77,1032.56 1864.77,1148.7 1829.23,1184.24 1829.23,1278.8 1812.1,1295.94 1725.15,1295.94 1715,1306.09 1715,1409.05 1723.09,1417.15 1727.55,1417.15
  region net GND_IN: 27.03,769.68 598.13,769.68 628.13,739.68 628.13,429.28 789.95,267.45 1157.54,267.45 1180.16,244.83 1180.16,49.05 1152.62,21.51 27.03,21.51
Power:
  region net GND_IN: 27.03,769.68 464.1,769.68 522.46,711.32 522.46,534.94 789.95,267.45 1157.54,267.45 1180.16,244.83 1180.16,49.05 1152.62,21.51 27.03,21.51
GND:
  region net GND_IN: 27.03,769.68 464.1,769.68 522.46,711.32 522.46,534.94 789.95,267.45 1157.54,267.45 1180.16,244.83 1180.16,49.05 1152.62,21.51 27.03,21.51
Bottom Layer:
  region net GND_IN: 27.03,769.68 464.1,769.68 522.46,711.32 522.46,534.94 789.95,267.45 1157.54,267.45 1180.16,244.83 1180.16,49.05 1152.62,21.51 27.03,21.51

## Silkscreen, mask and mechanical layers (free items; w line width, h text height)
Top Overlay:
  circle w19.68: c590.55,2421.26 r129.92
  circle w19.68: c4251.97,2421.26 r129.92
  circle w19.68: c4251.97,137.8 r129.92
  circle w19.68: c590.55,137.8 r129.92
  text "心音" at 3984.25,2225.41 h78.74
  text "主机通讯" at 3174.42,2201.86 h78.74
  text "GND" at 588.8,2155.52 h40
  text "SWCLK" at 509.97,2060.93 h40
  text "SWDIO" at 515.23,1962.13 h40
  text "VCC" at 588.8,1878.05 h40
  text "颈动脉波" at 4631.25,1394 h78.74
  text "-" at 997.86,331.66 h78.74
  text "-" at 1108.3,330.72 h78.74
  text "+" at 1227.24,330.72 h78.74
  text "+" at 1357.51,329.78 h78.74
  text "血压计" at 3153.71,67.23 h59.06
  text "HD-XXG-V2.3" at 3749.25,59.53 h59.06
  text "2023-12-26" at 3784.25,9.53 h59.06
Top Solder:
  rectangle: 1169.25,1009.53 1349.25,1089.53
  lines w100: 3104.57,96.19 3106.18,215.77 ; 4460.44,1178.55 4826.08,1178.55 ; 4478.89,235.29 4844.54,235.29

## Text inside footprints (layer, text, board x,y; h text height)
C60: Top Overlay "+" at 267.25,1598 h60 r270
C61: Top Overlay "+" at 662.25,1616.9 h60 r270
C62: Top Overlay "+" at 967.25,1587.37 h60 r270